# KiCad board tinysdr.kicad_pcb
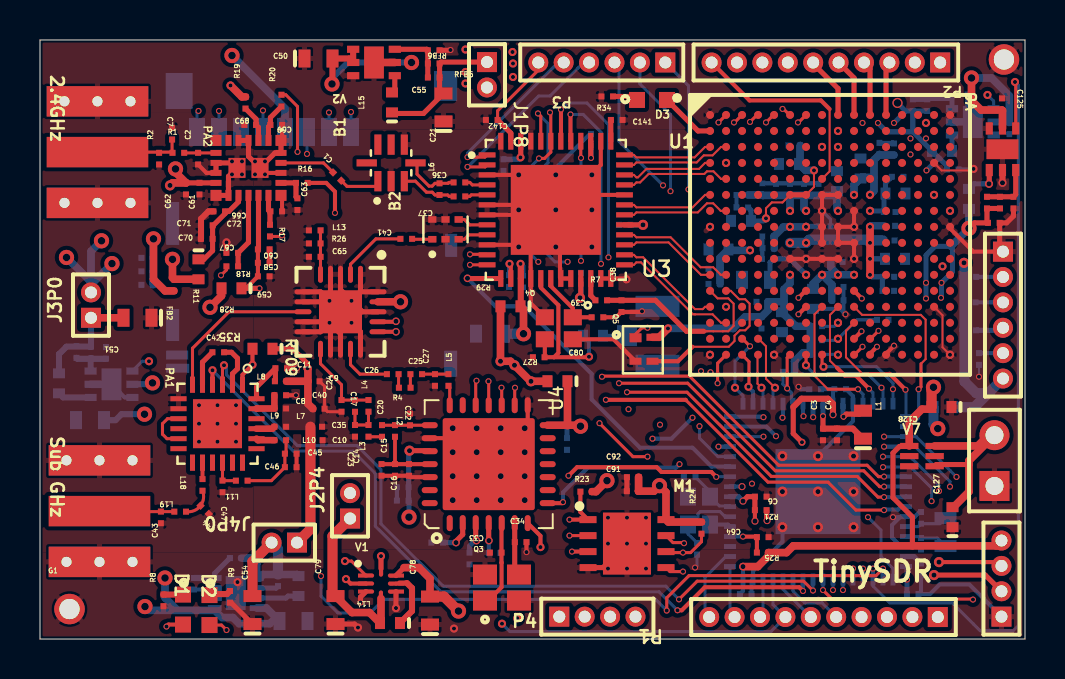
[diagram p0: board, top side]
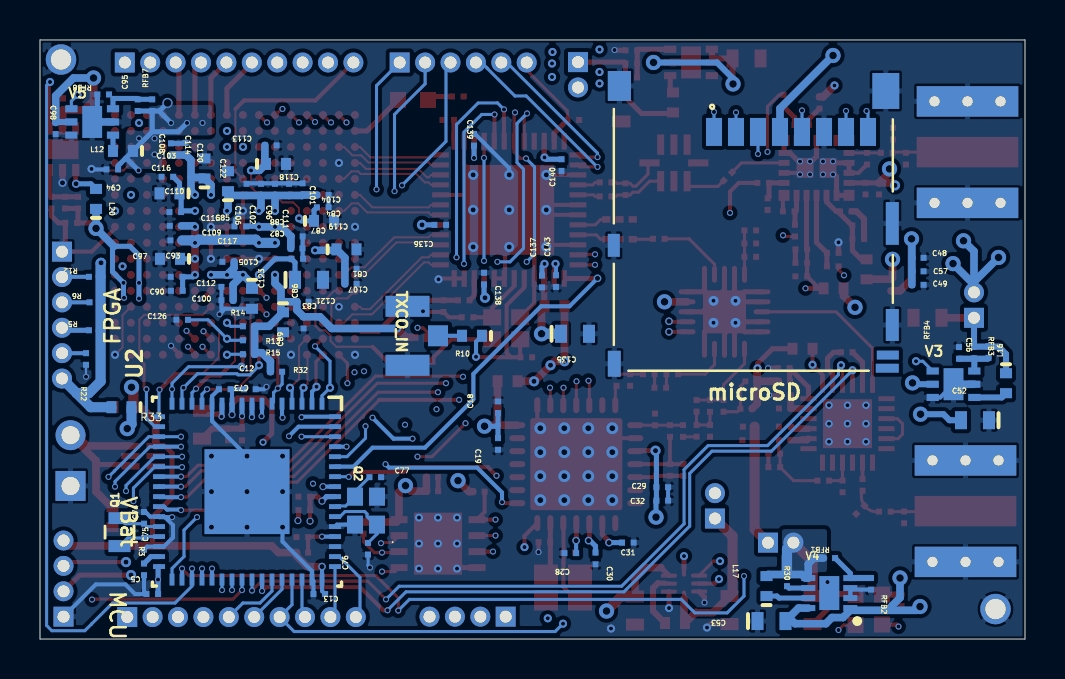
[diagram p1: board, bottom side, seen from below]

Outline 49.25 x 29.98 mm; copper layers: Top Layer, Mid1GND, Mid2Sig1, Mid3Sig2, Mid4Power, Bottom Layer. Coordinates in mm from the lower left corner of the outline.
Outline path: 0,29.98 0,0 49.25,0 49.25,29.98 0,29.98

## Placement (name value [footprint] x y rotation side)
2.4GHz  SMA - Edge  [SMA - Edge - Narrow]  0.33 24.37 270 top
B1  Balun_2.4GHz  [FIL_0910CF15B0100E]  17.56 23.83 90 top
B2  Balun_2.4GHz  [XFMR_B0310J50100AHF]  20.28 20.5 90 top
C1  Cap  [0201]  14.85 23.15 135 top
C2  Cap  [0201]  7.9 24.05 90 top
C3  Cap  [0201]  39.15 10.25 90 top
C4  Cap  [0201]  39.85 10.25 90 top
C5  Cap  [0201]  43.62 2.25 180 bottom
C6  Cap  [0201]  36.03 7.12 180 top
C7  Cap  [0201]  6.6 25.28 270 top
C8  Cap  [0201]  12.03 12.2 0 top
C9  Cap  [0201]  13.7 12.9 0 top
C10  Cap  [0201]  13.85 9.95 0 top
C11  Cap  [0201]  12.08 13.55 0 top
C12  Cap  [0201]  38.77 12.5 0 bottom
C13  Cap  [0201]  35.28 2.25 180 bottom
C14  Cap  [0201]  17.08 8.48 90 top
C15  Cap  [0201]  17.75 8.48 90 top
C16  Cap  [0201]  18.45 8.48 90 top
C17  Cap  [0201]  15.75 11.65 270 top
C18  Cap  [0201]  26.35 11.59 270 bottom
C19  Cap  [0201]  26.35 9.78 90 bottom
C20  Cap  [0201]  17.1 10.43 90 top
C21  Cap  [0603]  20.18 26.6 90 top
C22  Cap  [0201]  18.5 10.98 270 top
C23  Cap  [0201]  15.75 10.4 270 top
C24  Cap  [0201]  15.08 11.68 90 top
C25  Cap  [0201]  18.83 13.25 0 top
C26  Cap  [0201]  17.65 13.25 0 top
C27  Cap  [0201]  19.75 12.98 90 top
C28  Cap  [0201]  22.72 4.3 180 bottom
C29  Cap  [0201]  18.15 7.6 0 bottom
C30  Cap  [0201]  21.47 4.05 90 bottom
C31  Cap  [0201]  19.87 4.83 0 bottom
C32  Cap  [0201]  18.15 6.93 0 bottom
C33  Cap  [0201]  22.78 4.33 180 top
C34  Cap  [0201]  24.05 4.85 0 top
C35  Cap  [0201]  13.83 10.62 0 top
C36  Cap  [0201]  20.96 22.85 180 top
C37  Cap  [0201]  20.96 22.15 180 top
C38  Cap  [0201]  29.08 16.67 90 top
C39  Cap  [0201]  27.86 16.1 180 top
C40  Cap  [0201]  13.95 11.53 0 top
C41  Cap  [0201]  18.3 20.03 180 top
C42  Cap  [0201]  8.93 14.35 0 top
C43  Cap  [0201]  6.05 6.1 90 top
C44  Cap  [0201]  8.22 6.48 135 top
C45  Cap  [0201]  12.55 9.28 0 top
C46  Cap  [0201]  12.55 8.6 0 top
C47  Cap  [0201]  9.12 7.62 270 top
C48  Cap  [0201]  5.38 19.08 0 bottom
C49  Cap  [0201]  5.38 17.73 0 bottom
C50  Cap  [0603]  13.93 29.05 0 top
C51  Cap  [0603]  4.88 16.08 180 top
C52  Cap  [0603]  2.5 10.95 0 bottom
C53  Cap  [0603]  12.68 0.9 180 bottom
C54  Cap  [0603]  10.62 1.45 90 top
C55  Cap  [0201]  19.7 28.1 0 top
C56  Cap  [0201]  2.55 14.35 90 bottom
C57  Cap  [0201]  5.38 18.4 0 bottom
C58  Cap  [0201]  11.18 18.83 180 top
C59  Cap  [0201]  11.18 18.15 180 top
C60  Cap  [0201]  11.18 19.5 180 top
C61  Cap  [0201]  7.97 22.55 90 top
C62  Cap  [0201]  7.3 22.55 90 top
C63  Cap  [0201]  12.87 21.78 90 top
C64  Cap  [0201]  36.12 5.1 180 top
C65  Cap  [0201]  13.75 19.12 0 top
C66  Cap  [0201]  11.8 21.4 180 top
C67  Cap  [0201]  9.6 19.33 180 top
C68  Cap  [0201]  10.53 25.73 0 top
C69  Cap  [0201]  11.8 25.73 180 top
C70  Cap  [0201]  8.35 20.03 0 top
C71  Cap  [0201]  8.35 20.7 0 top
C72  Cap  [0201]  8.97 21.4 0 top
C73  Cap  [0201]  40 12.5 180 bottom
C74  Cap  [0201]  44.05 4.75 270 bottom
C75  Cap  [0201]  44.05 6.05 270 bottom
C76  Cap  [0201]  32.85 4.5 270 bottom
C77  Cap  [0201]  32.5 8.1 0 bottom
C78  Cap  [0603]  19.5 1.43 90 top
C79  Cap  [0603]  14.78 1.45 90 top
C80  Cap  [0201]  24.95 14.1 0 top
C81  Cap  [0201]  33.7 18.53 180 bottom
C82  Cap  [0201]  36.4 19.55 180 bottom
C83  Cap  [0201]  36.1 16.88 180 bottom
C84  Cap  [0201]  35.1 21.6 180 bottom
C85  Cap  [0201]  39.25 20.65 0 bottom
C86  Cap  [0201]  36.07 15.82 270 bottom
C87  Cap  [0402]  33.93 19.5 180 bottom
C88  Cap  [0201]  36.4 20.15 180 bottom
C89  Cap  [0402]  37.1 15.85 270 bottom
C90  Cap  [0201]  42.43 17.43 0 bottom
C91  Cap  [0201]  29.65 7.4 0 top
C92  Cap  [0201]  29.65 8.1 0 top
C93  Cap  [0201]  42.43 18.12 0 bottom
C94  Cap  [0201]  45.62 23.5 180 bottom
C95  Cap  [0201]  44.37 26.7 270 bottom
C96  Cap  [0201]  37.5 22.5 90 bottom
C97  Cap  [0402]  42.75 19.03 0 bottom
C98  Cap  [0201]  48.47 25.57 90 bottom
C99  Cap  [0201]  47.68 20.83 180 top
C100  Cap  [0201]  39.9 16.95 0 bottom
C101  Cap  [0201]  36.12 22.53 90 bottom
C102  Cap  [0201]  38.2 22.5 90 bottom
C103  Cap  [0201]  42.9 23.13 0 bottom
C104  Cap  [0201]  35.1 22.22 180 bottom
C105  Cap  [0201]  36.38 19.03 180 bottom
C106  Cap  [0201]  38.93 22.5 90 bottom
C107  Cap  [0201]  33.7 17.77 180 bottom
C108  Cap  [0201]  42.7 24.53 90 bottom
C109  Cap  [0201]  42.45 19.95 0 bottom
C110  Cap  [0201]  42.5 21.37 0 bottom
C111  Cap  [0201]  36.8 22.5 90 bottom
C112  Cap  [0201]  39.9 17.62 0 bottom
C113  Cap  [0201]  37.7 24.7 180 bottom
C114  Cap  [0201]  41.97 24.55 90 bottom
C115  Cap  [0201]  42.48 20.68 0 bottom
C116  Cap  [0402]  42.78 22.3 0 bottom
C117  Cap  [0201]  39.85 18.88 0 bottom
C118  Cap  [0402]  37.45 23.78 180 bottom
C119  Cap  [0402]  35.05 20.93 180 bottom
C120  Cap  [0402]  41.03 23.55 90 bottom
C121  Cap  [0603]  35.8 17.98 180 bottom
C122  Cap  [0402]  39.85 22.91 90 bottom
C123  Cap  [0402]  38.65 17.03 270 bottom
C124  Cap  [0201]  47.35 21.82 270 top
C125  Cap  [0201]  48.1 26.75 270 top
C126  Cap  [0201]  42.15 15.98 0 bottom
C127  Cap  [0402]  45.62 6.1 90 top
C128  Cap  [0402]  45.08 11.61 180 top
C135  Cap  [0603]  22.5 15.28 180 bottom
C136  Cap  [0201]  29.22 20.73 180 bottom
C137  Cap  [0201]  24.15 17.88 270 bottom
C138  Cap  [0201]  27.05 18.05 90 bottom
C139  Cap  [0201]  27.55 25 90 bottom
C140  Cap  [0201]  23.18 23.7 270 bottom
C141  Cap  [0201]  28.85 25.98 0 top
C142  Cap  [0201]  22.58 25.98 180 top
C143  Cap  [0201]  23.45 17.9 270 bottom
D1  LG_L29K-F2J1-24-Z  [LY-L29K]  7.15 1.48 270 top
D2  LG_L29K-F2J1-24-Z  [LY-L29K]  8.47 1.45 270 top
D3  LG_L29K-F2J1-24-Z  [LY-L29K]  30.6 26.98 0 top
FB2  Ferrite Bead  [0201]  6.7 17.7 270 top
FPGA  -  [MHDR1X6]  48.15 19.39 270 top
G1  Test Point, black  [TEST POINT - SMALL]  1.48 1.5 0 top
G2  Test Point, black  [TEST POINT - SMALL]  48.2 29 0 top
J1P8  -  [MHDR1X2]  22.35 28.87 270 top
J2P4  -  [MHDR1X2]  15.5 6.03 90 top
J3P0  -  [MHDR1X2]  2.55 16.08 90 top
J4P0  -  [MHDR1X2]  12.85 4.83 180 top
L1  Ind  [0603]  41.15 10.73 90 top
L2  Ind  [0201]  17.75 10.4 270 top
L3  Ind  [0201]  16.43 10.43 90 top
L4  Ind  [0201]  16.43 11.68 90 top
L5  Ind  [0201]  20.43 12.98 90 top
L6  Ind  [0201]  19.97 22.53 90 top
L7  Ind  [0201]  12.03 11.54 0 top
L8  Ind  [0201]  12.05 12.9 0 top
L9  Ind  [0201]  12.03 10.62 0 top
L10  Ind  [0201]  12.03 9.95 0 top
L11  Ind  [0201]  10.08 7.93 180 top
L12  Ind  [0402]  45.1 24.43 0 bottom
L13  Ind  [0201]  13.75 20.45 0 top
L14  Ind  [0402]  17.5 0.8 180 top
L15  Ind  [0402]  17.6 26.85 90 top
L16  Ind  [0402]  0.95 12.8 270 bottom
L17  Ind  [0402]  12.93 2.65 90 bottom
L18  Ind  [0201]  8.12 7.7 270 top
L19  Ind  [0201]  7 6.38 180 top
L20  Ind  [0402]  46.45 22.03 90 bottom
M1  MX25R6435FZAIH0  [SON80P400X400X60-9N]  29.35 4.78 0 top
MCU  MHDR1X4-angled  [MHDR1X4]  48.08 1.12 90 top
microSD  2201778-1  [TE_2201778-1]  13.59 20.62 0 bottom
P1  -  [MHDR1X10]  44.89 1.1 180 top
P2  -  [MHDR1X10]  45.01 28.85 180 top
P3  -  [MHDR1X6]  31.27 28.85 180 top
P4  -  [MHDR1X4]  25.97 1.12 0 top
PA1  SE2435L-R  [QFN50P400X400X90-25N]  8.88 10.78 270 top
PA2  SKY66112-11  [SKY6611211]  10.43 23.58 270 top
Q1  XTAL  [XTAL [2.00mm x 1.20mm]]  45.28 5.35 270 bottom
Q2  XTAL  [CX2016DB48000H0FLJC1]  32.95 6.43 90 bottom
Q3  XTAL  [nd2520da]  23.1 2.58 0 top
Q4  -  [Q 26,0-JXS21-8-10/10-FU-WA-LF]  25.94 15.55 180 top
Q5  DSC6011HI2A  [VFLGA16x12]  29.75 14.48 270 top
R1  Res  [0201]  6.93 24.33 0 top
R2  Res  [0201]  5.95 24.05 90 top
R3  Res  [0201]  44.05 3.5 90 bottom
R4  Res  [0201]  18.25 12.58 0 top
R5  Res  [0201]  46.5 15.45 180 bottom
R6  Res  [0201]  46.47 16.85 180 bottom
R7  Res  [0201]  28.08 16.95 0 top
R8  Res  [0201]  6.18 1.95 90 top
R9  Res  [0201]  9.5 2.12 90 top
R10  Res  [0402]  27.65 15.18 0 bottom
R11  Res  [0402]  7.93 18.5 270 top
R12  Res  [0201]  46.5 18.12 180 bottom
R13  Res  [0201]  38.83 14.95 0 bottom
R14  Res  [0201]  38.83 15.65 0 bottom
R15  Res  [0201]  38.83 14.25 0 bottom
R16  Res  [0201]  13.1 22.83 0 top
R17  Res  [0201]  11.5 20.43 270 top
R18  Res  [0201]  9.6 18.65 180 top
R19  Res  [0201]  10.28 26.85 90 top
R20  Res  [0201]  12.08 26.95 90 top
R21  Res  [0201]  36.03 6.45 180 top
R22  Res  [0201]  46.95 14.03 90 bottom
R23  Res  [0201]  27.33 7.38 0 top
R24  Res  [0201]  33.08 5.58 90 top
R25  Res  [0201]  36.12 4.33 180 top
R26  Res  [0201]  13.75 19.79 0 top
R27  Res  [0402]  25.88 12.9 180 top
R28  Res  [0402]  9.57 17.55 180 top
R29  Res  [0402]  23.53 16.65 180 top
R30  Res  [0201]  11.9 2.95 90 bottom
R32  Res  [0201]  37.45 13.38 0 bottom
R33  Res  [0402]  45.18 11.6 0 bottom
R34  Res  [0201]  28.38 27.15 0 top
R35  Res  [0402]  11.12 14.53 180 top
RF09  ADG904BCPZ-REEL7  [ADI-CP-20-6_L]  15.03 16.38 270 top
RFB1  Res  [0201]  9.78 4.05 180 bottom
RFB2  Res  [0201]  7.7 2.78 90 bottom
RFB3  Res  [0201]  1.83 14.38 90 bottom
RFB4  Res  [0201]  3.3 14.31 270 bottom
RFB5  Res  [0201]  19.7 28.8 0 top
RFB6  Res  [0201]  19.67 29.46 180 top
RFB7  Res  [0201]  43.64 26.7 270 bottom
RFB8  Res  [0201]  46.08 27.25 180 bottom
RFB9  Res  [0201]  48 21.82 270 top
RFB10  Res  [0201]  48.68 21.85 90 top
Sub GHz  SMA - Edge  [SMA - Edge - Narrow]  0.44 6.4 270 top
TXCO_IN  Miniature UFL coaxial connector  [UFL CONNECTOR]  30.88 15.18 90 bottom
U1  LFE5U-25F-BG256  [CABGA256]  39.5 20.23 0 top
U2  MSP432P401RIRGCR  [RGC0064B]  38.9 7.38 270 bottom
U3  48 lead QFN package  [QFN50P700X700X90-49N]  25.79 21.48 0 top
U4  SX1276  [vqfn28_6x6mm]  22.44 8.75 90 top
V1  SC195ULTRT  [QFN40P150X150X60-8N-D]  17.05 2.77 0 top
V2  TPS62240DRVR  [SON65P200X200X80-7N]  16.7 28.85 180 top
V3  TPS62240DRVR  [SON65P200X200X80-7N]  3.58 12.75 0 bottom
V4  TPS62080ADSGR  [SON50P200X200X80-9N]  9.79 2.3 0 bottom
V5  TPS62240DRVR  [SON65P200X200X80-7N]  46.64 25.88 0 bottom
V6  TPS62240DRVR  [SON65P200X200X80-7N]  48.12 24.51 90 top
V7  TPS72718DSER  [SON50P150X150X80-6N]  44.1 9.15 0 top
VBat  Header 2  [HDR1X2]  47.72 7.66 90 top

## Footprints (pads in the part's own frame, mm; a bottom-side part is the same pattern mirrored in y, then rotated)
0201
  rect 0.3x0.3 smd: 1(-0.305,0) 2(0.279,0)
0402
  rect 0.5x0.6 smd: 1(-0.5,0) 2(0.5,0)
0603
  rect 0.6x0.9 smd: 1(-0.7,0) 2(0.7,0)
ADI-CP-20-6_L
  oval 0.85x0.25 smd: 1(-1.875,1) 2(-1.875,0.5) 3(-1.875,0) 4(-1.875,-0.5) 5(-1.875,-1) 11(1.875,-1) 12(1.875,-0.5) 13(1.875,0) 14(1.875,0.5) 15(1.875,1)
  oval 0.25x0.85 smd: 6(-1,-1.875) 7(-0.5,-1.875) 8(0,-1.875) 9(0.5,-1.875) 10(1,-1.875) 16(1,1.875) 17(0.5,1.875) 18(0,1.875) 19(-0.5,1.875) 20(-1,1.875)
  rect 2.15x2.15 smd: 21(0,0)
CABGA256
  round 0.4 smd: A1(-6,6) A2(-5.2,6) A3(-4.4,6) A4(-3.6,6) A5(-2.8,6) A6(-2,6) A7(-1.2,6) A8(-0.4,6) A9(0.4,6) A10(1.2,6) A11(2,6) A12(2.8,6) A13(3.6,6) A14(4.4,6) A15(5.2,6) A16(6,6) B1(-6,5.2) B2(-5.2,5.2) B3(-4.4,5.2) B4(-3.6,5.2) B5(-2.8,5.2) B6(-2,5.2) B7(-1.2,5.2) B8(-0.4,5.2) B9(0.4,5.2) B10(1.2,5.2) B11(2,5.2) B12(2.8,5.2) B13(3.6,5.2) B14(4.4,5.2) B15(5.2,5.2) B16(6,5.2) C1(-6,4.4) C2(-5.2,4.4) C3(-4.4,4.4) C4(-3.6,4.4) C5(-2.8,4.4) C6(-2,4.4) C7(-1.2,4.4) C8(-0.4,4.4) C9(0.4,4.4) C10(1.2,4.4) C11(2,4.4) C12(2.8,4.4) C13(3.6,4.4) C14(4.4,4.4) C15(5.2,4.4) C16(6,4.4) D1(-6,3.6) D2(-5.2,3.6) D3(-4.4,3.6) D4(-3.6,3.6) D5(-2.8,3.6) D6(-2,3.6) D7(-1.2,3.6) D8(-0.4,3.6) D9(0.4,3.6) D10(1.2,3.6) D11(2,3.6) D12(2.8,3.6) D13(3.6,3.6) D14(4.4,3.6) D15(5.2,3.6) D16(6,3.6) E1(-6,2.8) E2(-5.2,2.8) E3(-4.4,2.8) E4(-3.6,2.8) E5(-2.8,2.8) E6(-2,2.8) E7(-1.2,2.8) E8(-0.4,2.8) E9(0.4,2.8) E10(1.2,2.8) E11(2,2.8) E12(2.8,2.8) E13(3.6,2.8) E14(4.4,2.8) E15(5.2,2.8) E16(6,2.8) F1(-6,2) F2(-5.2,2) F3(-4.4,2) F4(-3.6,2) F5(-2.8,2) F6(-2,2) F7(-1.2,2) F8(-0.4,2) F9(0.4,2) F10(1.2,2) F11(2,2) F12(2.8,2) F13(3.6,2) F14(4.4,2) F15(5.2,2) F16(6,2) G1(-6,1.2) G2(-5.2,1.2) G3(-4.4,1.2) G4(-3.6,1.2) G5(-2.8,1.2) G6(-2,1.2) G7(-1.2,1.2) G8(-0.4,1.2) G9(0.4,1.2) G10(1.2,1.2) G11(2,1.2) G12(2.8,1.2) G13(3.6,1.2) G14(4.4,1.2) G15(5.2,1.2) G16(6,1.2) H1(-6,0.4) H2(-5.2,0.4) H3(-4.4,0.4) H4(-3.6,0.4) H5(-2.8,0.4) H6(-2,0.4) H7(-1.2,0.4) H8(-0.4,0.4) H9(0.4,0.4) H10(1.2,0.4) H11(2,0.4) H12(2.8,0.4) H13(3.6,0.4) H14(4.4,0.4) H15(5.2,0.4) H16(6,0.4) J1(-6,-0.4) J2(-5.2,-0.4) J3(-4.4,-0.4) J4(-3.6,-0.4) J5(-2.8,-0.4) J6(-2,-0.4) J7(-1.2,-0.4) J8(-0.4,-0.4) J9(0.4,-0.4) J10(1.2,-0.4) J11(2,-0.4) J12(2.8,-0.4) J13(3.6,-0.4) J14(4.4,-0.4) J15(5.2,-0.4) J16(6,-0.4) K1(-6,-1.2) K2(-5.2,-1.2) K3(-4.4,-1.2) K4(-3.6,-1.2) K5(-2.8,-1.2) K6(-2,-1.2) K7(-1.2,-1.2) K8(-0.4,-1.2) K9(0.4,-1.2) K10(1.2,-1.2) K11(2,-1.2) K12(2.8,-1.2) K13(3.6,-1.2) K14(4.4,-1.2) K15(5.2,-1.2) K16(6,-1.2) L1(-6,-2) L2(-5.2,-2) L3(-4.4,-2) L4(-3.6,-2) L5(-2.8,-2) L6(-2,-2) L7(-1.2,-2) L8(-0.4,-2) L9(0.4,-2) L10(1.2,-2) L11(2,-2) L12(2.8,-2) L13(3.6,-2) L14(4.4,-2) L15(5.2,-2) L16(6,-2) M1(-6,-2.8) M2(-5.2,-2.8) M3(-4.4,-2.8) M4(-3.6,-2.8) M5(-2.8,-2.8) M6(-2,-2.8) M7(-1.2,-2.8) M8(-0.4,-2.8) M9(0.4,-2.8) M10(1.2,-2.8) M11(2,-2.8) M12(2.8,-2.8) M13(3.6,-2.8) M14(4.4,-2.8) M15(5.2,-2.8) M16(6,-2.8) N1(-6,-3.6) N2(-5.2,-3.6) N3(-4.4,-3.6) N4(-3.6,-3.6) N5(-2.8,-3.6) N6(-2,-3.6) N7(-1.2,-3.6) N8(-0.4,-3.6) N9(0.4,-3.6) N10(1.2,-3.6) N11(2,-3.6) N12(2.8,-3.6) N13(3.6,-3.6) N14(4.4,-3.6) N15(5.2,-3.6) N16(6,-3.6) P1(-6,-4.4) P2(-5.2,-4.4) P3(-4.4,-4.4) P4(-3.6,-4.4) P5(-2.8,-4.4) P6(-2,-4.4) P7(-1.2,-4.4) P8(-0.4,-4.4) P9(0.4,-4.4) P10(1.2,-4.4) P11(2,-4.4) P12(2.8,-4.4) P13(3.6,-4.4) P14(4.4,-4.4) P15(5.2,-4.4) P16(6,-4.4) R1(-6,-5.2) R2(-5.2,-5.2) R3(-4.4,-5.2) R4(-3.6,-5.2) R5(-2.8,-5.2) R6(-2,-5.2) R7(-1.2,-5.2) R8(-0.4,-5.2) R9(0.4,-5.2) R10(1.2,-5.2) R11(2,-5.2) R12(2.8,-5.2) R13(3.6,-5.2) R14(4.4,-5.2) R15(5.2,-5.2) R16(6,-5.2) T1(-6,-6) T2(-5.2,-6) T3(-4.4,-6) T4(-3.6,-6) T5(-2.8,-6) T6(-2,-6) T7(-1.2,-6) T8(-0.4,-6) T9(0.4,-6) T10(1.2,-6) T11(2,-6) T12(2.8,-6) T13(3.6,-6) T14(4.4,-6) T15(5.2,-6) T16(6,-6)
CX2016DB48000H0FLJC1
  rect 0.9x0.8 smd: 1(-0.7,-0.55) 2(0.7,-0.55) 3(0.7,0.55) 4(-0.7,0.55)
FIL_0910CF15B0100E
  rect 1.016x0.356 smd: 1(-0.914,0.66) 2(-0.914,0) 3(-0.914,-0.66) 5(0.914,-0.66) 6(0.914,0) 7(0.914,0.66)
  rect 0.356x1.016 smd: 4(0,-1.219) 8(0,1.219)
HDR1X2
  rect 1.5x1.5 hole 0.9: 1(0,0)
  round 1.5 hole 0.9: 2(2.54,0)
LY-L29K
  rect 0.8x0.8 smd: 1(-0.75,0) 2(0.75,0)
MHDR1X2
  rect 1x1 hole 0.6: 1(0,0)
  round 1 hole 0.6: 2(1.27,0)
MHDR1X4
  rect 1x1 hole 0.6: 1(0,0)
  round 1 hole 0.6: 2(1.27,0) 3(2.54,0) 4(3.81,0)
MHDR1X6
  rect 1x1 hole 0.6: 1(0,0)
  round 1 hole 0.6: 2(1.27,0) 3(2.54,0) 4(3.81,0) 5(5.08,0) 6(6.35,0)
MHDR1X10
  rect 1x1 hole 0.6: 1(0,0)
  round 1 hole 0.6: 2(1.27,0) 3(2.54,0) 4(3.81,0) 5(5.08,0) 6(6.35,0) 7(7.62,0) 8(8.89,0) 9(10.16,0) 10(11.43,0)
nd2520da
  rect 1.2x1 smd: 1(-0.85,-0.65) 2(0.85,-0.65) 3(0.85,0.65) 4(-0.85,0.65)
Q 26,0-JXS21-8-10/10-FU-WA-LF
  rect 0.9x0.8 smd: 1(-0.7,-0.55) 2(0.7,-0.55) 3(0.7,0.55) 4(-0.7,0.55)
QFN40P150X150X60-8N-D
  round 0.2 smd: 1(-0.75,0.4) 2(-0.75,0) 3(-0.75,-0.4) 4(0,-0.75) 5(0.75,-0.4) 6(0.75,0) 7(0.75,0.4) 8(0,0.75)
QFN50P400X400X90-25N
  rect 0.81x0.25 smd: 1(-1.95,1.25) 2(-1.95,0.75) 3(-1.95,0.25) 4(-1.95,-0.25) 5(-1.95,-0.75) 6(-1.95,-1.25) 13(1.95,-1.25) 14(1.95,-0.75) 15(1.95,-0.25) 16(1.95,0.25) 17(1.95,0.75) 18(1.95,1.25)
  rect 0.25x0.81 smd: 7(-1.25,-1.95) 8(-0.75,-1.95) 9(-0.25,-1.95) 10(0.25,-1.95) 11(0.75,-1.95) 12(1.25,-1.95) 19(1.25,1.95) 20(0.75,1.95) 21(0.25,1.95) 22(-0.25,1.95) 23(-0.75,1.95) 24(-1.25,1.95)
  rect 2.45x2.45 smd: 25(0,0)
QFN50P700X700X90-49N
  rect 0.84x0.26 smd: 1(-3.435,2.75) 2(-3.435,2.25) 3(-3.435,1.75) 4(-3.435,1.25) 5(-3.435,0.75) 6(-3.435,0.25) 7(-3.435,-0.25) 8(-3.435,-0.75) 9(-3.435,-1.25) 10(-3.435,-1.75) 11(-3.435,-2.25) 12(-3.435,-2.75) 25(3.435,-2.75) 26(3.435,-2.25) 27(3.435,-1.75) 28(3.435,-1.25) 29(3.435,-0.75) 30(3.435,-0.25) 31(3.435,0.25) 32(3.435,0.75) 33(3.435,1.25) 34(3.435,1.75) 35(3.435,2.25) 36(3.435,2.75)
  rect 0.26x0.84 smd: 13(-2.75,-3.435) 14(-2.25,-3.435) 15(-1.75,-3.435) 16(-1.25,-3.435) 17(-0.75,-3.435) 18(-0.25,-3.435) 19(0.25,-3.435) 20(0.75,-3.435) 21(1.25,-3.435) 22(1.75,-3.435) 23(2.25,-3.435) 24(2.75,-3.435) 37(2.75,3.435) 38(2.25,3.435) 39(1.75,3.435) 40(1.25,3.435) 41(0.75,3.435) 42(0.25,3.435) 43(-0.25,3.435) 44(-0.75,3.435) 45(-1.25,3.435) 46(-1.75,3.435) 47(-2.25,3.435) 48(-2.75,3.435)
  rect 4.5x4.5 smd: 49(0,0)
RGC0064B
  rect 0.6x0.24 smd: 1(-4.4,3.75) 2(-4.4,3.25) 3(-4.4,2.75) 4(-4.4,2.25) 5(-4.4,1.75) 6(-4.4,1.25) 7(-4.4,0.75) 8(-4.4,0.25) 9(-4.4,-0.25) 10(-4.4,-0.75) 11(-4.4,-1.25) 12(-4.4,-1.75) 13(-4.4,-2.25) 14(-4.4,-2.75) 15(-4.4,-3.25) 16(-4.4,-3.75) 33(4.4,-3.75) 34(4.4,-3.25) 35(4.4,-2.75) 36(4.4,-2.25) 37(4.4,-1.75) 38(4.4,-1.25) 39(4.4,-0.75) 40(4.4,-0.25) 41(4.4,0.25) 42(4.4,0.75) 43(4.4,1.25) 44(4.4,1.75) 45(4.4,2.25) 46(4.4,2.75) 47(4.4,3.25) 48(4.4,3.75)
  rect 0.24x0.6 smd: 17(-3.751,-4.4) 18(-3.251,-4.4) 19(-2.751,-4.4) 20(-2.251,-4.4) 21(-1.75,-4.4) 22(-1.25,-4.4) 23(-0.75,-4.4) 24(-0.25,-4.4) 25(0.25,-4.4) 26(0.75,-4.4) 27(1.25,-4.4) 28(1.75,-4.4) 29(2.251,-4.4) 30(2.751,-4.4) 31(3.251,-4.4) 32(3.751,-4.4) 49(3.751,4.4) 50(3.251,4.4) 51(2.751,4.4) 52(2.251,4.4) 53(1.75,4.4) 54(1.25,4.4) 55(0.75,4.4) 56(0.25,4.4) 57(-0.25,4.4) 58(-0.75,4.4) 59(-1.25,4.4) 60(-1.75,4.4) 61(-2.251,4.4) 62(-2.751,4.4) 63(-3.251,4.4) 64(-3.751,4.4)
  rect 4.25x4.25 smd: 65(0,0)
SKY6611211
  rrect 0.55x0.55 smd: 1(-1.375,1.625) 7(-1.375,-1.625) 12(1.375,-1.625) 18(1.375,1.625)
  rect 0.55x0.3 smd: 2(-1.375,1) 3(-1.375,0.5) 4(-1.375,0) 5(-1.375,-0.5) 6(-1.375,-1) 13(1.375,-1) 14(1.375,-0.5) 15(1.375,0) 16(1.375,0.5) 17(1.375,1)
  rect 0.3x0.55 smd: 8(-0.75,-1.625) 9(-0.25,-1.625) 10(0.25,-1.625) 11(0.75,-1.625) 19(0.75,1.625) 20(0.25,1.625) 21(-0.25,1.625) 22(-0.75,1.625)
  rect 1x0.85 smd: 23(0,0.575) 24(0,-0.575)
SMA - Edge - Narrow
  round 0.965 hole 0.508: 1(-2.54,4.191) 1(-2.54,2.54) 1(-2.54,0.889) 1(2.54,4.191) 1(2.54,2.54) 1(2.54,0.889)
  rect 1.524x5.08 smd: 1(-2.54,2.54) 1(2.54,2.54) 2(0,2.54)
  rect 1.524x5.08 smd far side: 1(-2.54,2.54) 1(2.54,2.54)
SON50P150X150X80-6N
  rect 0.914x0.305 smd: 1(-0.635,0.508) 2(-0.635,0) 3(-0.635,-0.508) 4(0.635,-0.508) 5(0.635,0) 6(0.635,0.508)
SON50P200X200X80-9N
  rect 0.7x0.3 smd: 1(-1.05,0.75) 2(-1.05,0.25) 3(-1.05,-0.25) 4(-1.05,-0.75) 5(1.05,-0.75) 6(1.05,-0.25) 7(1.05,0.25) 8(1.05,0.75)
  rect 1x1.7 smd: 9(0,0)
SON65P200X200X80-7N
  rect 0.61x0.356 smd: 1(-1.041,0.66) 2(-1.041,0) 3(-1.041,-0.66) 4(1.041,-0.66) 5(1.041,0) 6(1.041,0.66)
  rect 0.991x1.6 smd: 7(0,0)
SON80P400X400X60-9N
  rect 0.85x0.35 smd: 1(-1.95,1.2) 2(-1.95,0.4) 3(-1.95,-0.4) 4(-1.95,-1.2) 5(1.95,-1.2) 6(1.95,-0.4) 7(1.95,0.4) 8(1.95,1.2)
  rect 2.4x3.1 smd: 9(0,0)
TE_2201778-1
  rect 0.8x1.4 smd: 1(1.965,-4.75) 2(0.865,-4.75) 3(-0.235,-4.75) 4(-1.335,-4.75) 5(-2.435,-4.75) 6(-3.535,-4.75) 7(-4.635,-4.75) 8(-5.735,-4.75)
  rect 1.15x0.45 smd: 9(-6.7,7.075)
  rect 1.1x0.45 smd: 10(-6.725,6.415)
  rect 1.35x1.8 smd: 11(-6.625,-6.8)
  rect 0.65x2.14 smd: 12(-6.95,-0.17)
  rect 0.65x1.6 smd: 13(-6.95,4.91)
  rect 0.65x1.3 smd: 14(6.95,6.85)
  rect 0.6x1.15 smd: 15(6.975,0.925)
  rect 1.16x1.5 smd: 16(6.695,-7.05)
TEST POINT - SMALL
  round 1.524 hole 1.016: 0(0,0)
UFL CONNECTOR
  rect 1.05x1 smd: 1(0,-1.525)
  rect 1.05x2.2 smd: 2(-1.475,0) 2(1.475,0)
VFLGA16x12
  rect 0.45x0.6 smd: 1(-0.6,0.025)
  rect 0.35x0.6 smd: 2(0.575,0.025) 3(0.575,0.875) 4(-0.625,0.875)
vqfn28_6x6mm
  oval 0.8x0.3 smd: 1(-2.95,1.95) 2(-2.95,1.3) 3(-2.95,0.65) 4(-2.95,0) 5(-2.95,-0.65) 6(-2.95,-1.3) 7(-2.95,-1.95) 15(2.95,-1.95) 16(2.95,-1.3) 17(2.95,-0.65) 18(2.95,0) 19(2.95,0.65) 20(2.95,1.3) 21(2.95,1.95)
  oval 0.3x0.8 smd: 8(-1.95,-2.95) 9(-1.3,-2.95) 10(-0.65,-2.95) 11(0,-2.95) 12(0.65,-2.95) 13(1.3,-2.95) 14(1.95,-2.95) 22(1.95,2.95) 23(1.3,2.95) 24(0.65,2.95) 25(0,2.95) 26(-0.65,2.95) 27(-1.3,2.95) 28(-1.95,2.95)
  rrect 4.6x4.6 smd: 29(0,0)
XFMR_B0310J50100AHF
  rect 0.33x0.41 smd: 1(-0.495,0.66) 2(-0.495,0) 3(-0.495,-0.66) 4(0.495,-0.66) 5(0.495,0) 6(0.495,0.66)
XTAL [2.00mm x 1.20mm]
  rect 0.6x1.1 smd: 1(-0.7,0) 2(0.7,0)

## Nets
AVDD0: C143.1 P3.1 U3.14
AVDD1: C142.1 P3.6 U3.47
GND: 2.4GHz.1 B1.2 B1.5 B2.2 B2.5 B2.6 C2.1 C3.1 C4.1 C5.1 C6.1 C7.1 C8.2 C9.2 C10.2 C11.2 C12.1 C13.1 C14.1 C15.1 C16.1 C18.1 C19.1 C21.1 C22.1 C23.2 C24.1 C27.1 C28.1 C29.1 C30.1 C31.1 C32.1 C33.2 C34.2 C35.2 C38.1 C39.1 C40.2 C43.1 C44.1 C45.2 C46.2 C47.2 C48.1 C49.1 C50.1 C51.1 C52.1 C53.1 C54.1 C57.1 C59.1 C61.1 C62.1 C63.1 C64.1 C65.1 C66.1 C67.2 C68.1 C69.1 C70.1 C71.1 C72.1 C73.1 C74.2 C75.1 C76.2 C77.1 C78.1 C79.1 C80.1 C81.2 C82.2 C83.2 C84.2 C85.2 C86.2 C87.2 C88.2 C89.2 C90.2 C91.1 C92.1 C93.2 C94.1 C96.2 C97.2 C98.1 C99.1 C100.2 C101.2 C102.2 C103.2 C104.2 C105.2 C106.2 C107.2 C108.2 C109.2 C110.2 C111.2 C112.2 C113.2 C114.2 C115.2 C116.2 C117.2 C118.2 C119.2 C120.2 C121.2 C122.2 C123.2 C125.1 C126.2 C127.1 C128.1 C135.2 C136.2 C137.2 C138.2 C139.2 C140.2 C141.2 C142.2 C143.2 FPGA.1 G1.0 G2.0 L13.1 M1.4 M1.9 MCU.1 microSD.6 microSD.11 microSD.12 microSD.13 microSD.14 microSD.15 microSD.16 PA1.7 PA1.8 PA1.25 PA2.1 PA2.4 PA2.5 PA2.7 PA2.9 PA2.10 PA2.12 PA2.13 PA2.18 PA2.20 PA2.22 PA2.23 PA2.24 Q2.2 Q2.4 Q3.2 Q3.4 Q4.2 Q4.4 Q5.2 R2.1 R3.1 R8.1 R9.1 R22.1 R26.1 R34.1 RF09.1 RF09.3 RF09.4 RF09.6 RF09.7 RF09.9 RF09.10 RF09.12 RF09.13 RF09.15 RF09.18 RF09.20 RF09.21 RFB2.1 RFB4.1 RFB6.1 RFB8.1 RFB10.1 Sub GHz.1 TXCO_IN.2 U1.A1 U1.A16 U1.D2 U1.D15 U1.F8 U1.F9 U1.G8 U1.G10 U1.H1 U1.H8 U1.H9 U1.H10 U1.H16 U1.J8 U1.J9 U1.J10 U1.K6 U1.K7 U1.K8 U1.K9 U1.K10 U1.N2 U1.N15 U1.T1 U1.T5 U1.T12 U1.T16 U2.12 U2.27 U2.30 U2.47 U2.51 U2.53 U2.65 U3.3 U3.6 U3.7 U3.10 U3.16 U3.19 U3.20 U3.23 U3.24 U3.32 U3.38 U3.45 U3.48 U3.49 U4.15 U4.23 U4.26 U4.29 V1.3 V1.5 V2.2 V2.6 V2.7 V3.2 V3.6 V3.7 V4.2 V4.3 V4.9 V5.2 V5.6 V5.7 V6.2 V6.6 V6.7 V7.3 VBat.1
VBat: C50.2 C52.2 C53.2 C78.2 C98.2 C125.2 C127.2 V1.7 V2.4 V2.5 V3.5 V4.1 V4.8 V5.5 V6.5 V7.4 V7.6 VBat.2
VCC_D2: C82.1 C85.1 C88.1 J2P4.2 R27.2 R29.2 U1.H6 U1.H7
VCC_SD: C48.2 C49.2 C57.2 FB2.2 microSD.4
1P1V: C94.2 C95.2 C96.1 C100.1 C101.1 C102.1 C104.1 C106.1 C111.1 C112.1 C117.1 C122.1 C123.1 L12.1 RFB7.2 U1.G6 U1.G7 U1.G9 U1.L8 U1.L9 U1.L10
1P8V: C61.2 C62.2 C91.2 C92.2 J1P8.2 M1.8 PA2.11 R19.2 R23.2 R24.2 R28.2 R33.1 RF09.19
1P8V_MCU: C12.2 C13.2 C73.2 C128.2 MCU.4 R21.1 R25.1 U2.10 U2.48 V7.1
2P5V: C99.2 C103.1 C105.1 C110.1 C116.1 C121.1 C124.2 L20.1 RFB9.2 U1.G11 U1.L7
3P0V: FB2.1 J3P0.2 R11.2
4P0V: C9.1 C10.1 C35.1 C40.1 J4P0.1 L7.2 L8.2 L9.2 R35.1
\~{RSTN: U2.59 U3.13
ADC_A0: P1.6 U2.44
ADC_A1: P1.5 U2.43
ADC_VREF_N: P1.8 U2.46 V1.8
ADC_VREF_P: P1.7 U2.45 V3.4
B1_N: B1.3 C37.2 L6.1
B1_P: B1.4 C36.2 L6.2
BR_CS: U2.23 U4.19
BR_DIO: U2.61 U4.8
BR_MISO: U2.26 U4.17
BR_MOSI: U2.25 U4.18
BR_NReset: U2.58 U4.7
BR_RF_RX: C26.1 RF09.14
BR_RF_TX: C17.1 C24.2 L4.2 RF09.11
BR_SCLK: U2.24 U4.16
BR_VCC: C18.2 C19.2 C29.2 C30.2 C32.2 R27.1 U4.3 U4.14 U4.24
CFG0: U1.N10 U2.18
CFG1: U1.P10 U2.17
CFG2: U1.R10 U2.7
CLKO: C38.2 R7.2 U1.M1
D2_CTL1: U2.36 V1.2
D2_CTL2: U2.37 V1.1
DONE: R14.2 U1.P9 U2.40
FEA09: P3.3 U3.11
FEA24: P3.5 U3.1
FEB09: P3.2 U3.12
FEB24: P3.4 U3.2
FLASH_CS: M1.1 P4.1 R23.1 U1.N8 U2.13
FLASH_IO0: M1.5 P4.4 U1.T8 U2.16
FLASH_IO1: M1.2 P4.2 U1.T7 U2.15
FLASH_IO2: M1.3 U1.M7
FLASH_IO3: M1.7 U1.N7
FLASH_SCLK: M1.6 P4.3 R24.1 U1.N9 U2.14
FPGA_1P8V: C81.1 C83.1 C84.1 C86.1 C87.1 C89.1 C90.1 C93.1 C97.1 C107.1 C108.1 C109.1 C113.1 C114.1 C115.1 C118.1 C119.1 C120.1 FPGA.6 Q5.4 R5.2 R6.2 R12.2 R13.1 R14.1 R15.1 R32.2 R33.2 U1.F6 U1.F7 U1.F10 U1.F11 U1.H11 U1.J6 U1.J7 U1.J11 U1.K11 U1.L6 U1.L11
FPGA_CLK: Q5.3 U1.M2
FPGA_CLK_EN: Q5.1 U1.T2
FPGA_Control_Reset: R32.1 U1.T6 U2.6
FPGA_InitN: R15.2 U1.T9 U2.38
FPGA_LED: D3.2 U1.B1
FPGA_ProgramN: C126.1 R13.2 U1.R9 U2.39